# KiCad board xt_pcb.kicad_pcb (continued)
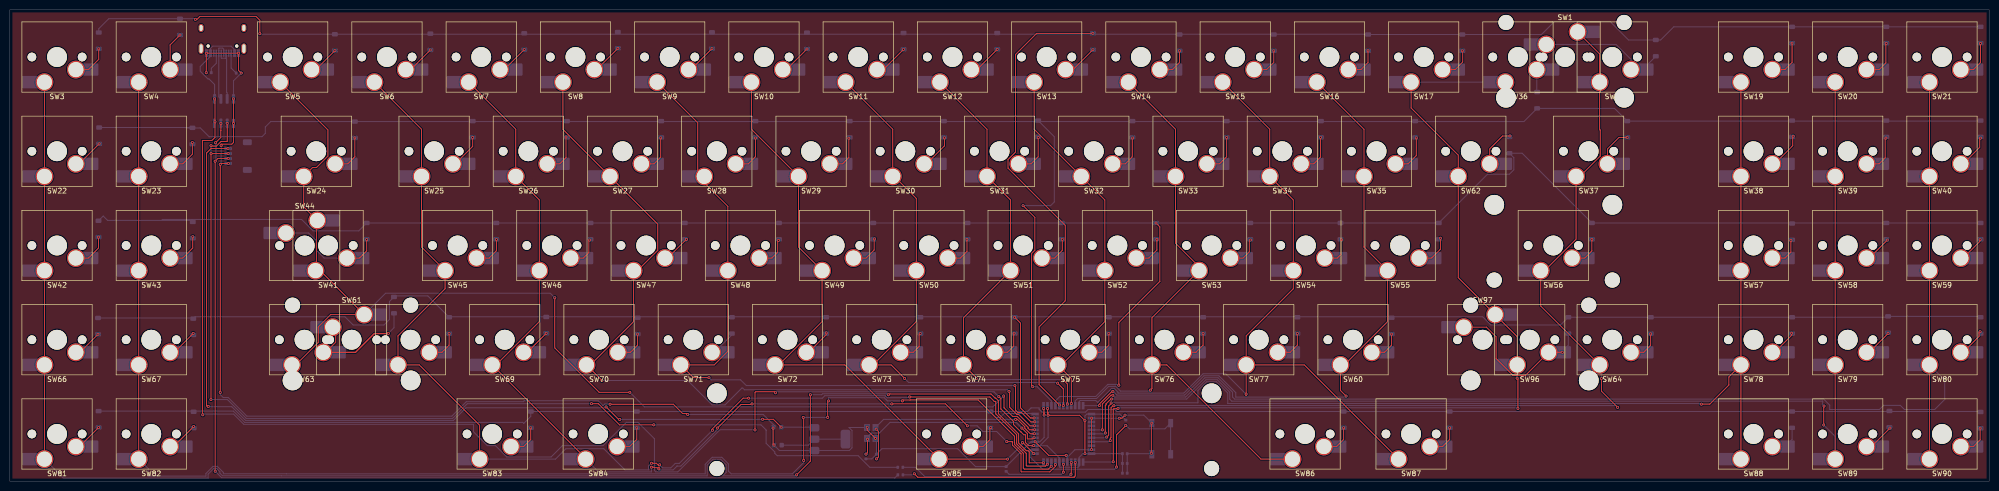
[diagram p0: board, top side]
## Routing (per net, layer and track width the routed paths; a pad name or vN(x,y) marks a point on that pad's centre or on a via; arc(x,y) is an arc through that point)
+3.3V: length 13.4
  Bottom w0.2: C5.1 161.41,7.27 U1.2 U1.2
+5V: length 183.1
  Top w0.2: v1(40.1,15.11) 40.05,15.16 39.85,15.16 39.75,15.25 39.75,66.33 40.65,67.23 v1(44.09,67.23) ; v1(123.25,12.47) 123.23,12.46 123.23,12.27 v1(120.5,15) ; v1(155.9,10.9) 154.3,12.5 v1(152.13,12.5)
  Bottom w0.2: v1(155.9,10.9) 162.5,10.9 U1.3 ; v1(152.13,12.5) 152.11,12.47 v1(123.25,12.47) ; v1(44.09,67.23) 44.11,67.21 J1.1 ; v1(120.5,15) 120.33,14.83 92.2,14.83 89.65,12.28 47.61,12.28 44.83,15.05 44.82,15.05 40.16,15.05 v1(40.1,15.11)
GND: length 334.4
  Top w0.2: v1(46.76,82.48) 46.22,83.02 v1(46.22,86.5) v1(39.72,86.5) 39.69,86.47 v1(39.69,82.56) ; v1(225.39,13.33) 224.79,12.73 224.25,12.73 v1(224.24,12.71) ; v1(137,13.47) 136.83,13.65 136,13.65 134.1,15.54 v1(121.31,15.54) ; 209,13.77 209,13.58 ; 209,13.77 209,14.62 v1(208.95,14.68) ; 209,13.77 209.05,13.73 v1(209.05,13.35) ; v1(230.81,11.72) 230.71,11.62 v1(230.71,5.63) ; v1(154.45,7.27) 154.26,7.46 v1(154.26,10.72) ; v1(213.51,5.21) 209.96,5.21 v1(207.23,7.95) ; v1(44.16,64.22) 42.71,64.22 v1(42.52,64.02) v1(42.52,17.92) ; v1(218.62,6.35) 218.65,6.37 v1(218.65,12.73) ; v1(42.7,67.83) 42.69,67.84 42.69,68.11 44.85,68.11 45.19,68.44 v1(45.19,72.31) v1(45.19,77.26) ; v1(174.95,8.63) 173.29,10.29 v1(173.29,10.88)
  Bottom w0.2: v1(213.51,5.21) 213.73,5 U2.5 213.73,4.8 215.27,6.35 v1(218.62,6.35) ; C6.2 175.16,8.42 v1(174.95,8.63) ; C6.2 176.26,6.55 191.57,6.55 195.19,2.93 C8.2 206.38,7.95 v1(207.23,7.95) 208.18,7.95 209.05,8.82 v1(209.05,13.35) ; C6.2 174.2,4.49 C7.2 ; J1.4 44.15,64.21 v1(44.16,64.22) ; v1(230.71,5.63) 230.81,5.53 BT1.1 230.69,5.54 C3.2 C1.2 ; v1(121.31,15.54) 121.25,15.6 120.26,15.6 119.91,15.25 119.91,15.24 118.89,16.25 103.96,16.25 103.76,16.05 92.25,16.05 89.33,13.12 47.89,13.12 44.13,16.89 43.12,16.89 42.52,17.49 v1(42.52,17.92) ; v1(218.65,12.73) 218.67,12.71 v1(224.24,12.71) ; v1(137,13.47) 152.26,13.47 154.35,11.39 C4.2 154.35,10.81 v1(154.26,10.72) ; R4.2 v1(39.69,82.56) ; v1(230.81,11.72) 229.2,13.33 v1(225.39,13.33) ; v1(154.45,7.27) 155.54,6.18 U1.1 169.65,6.18 170.22,6.74 170.22,10.22 169.6,10.83 Y1.2 173.25,10.84 v1(173.29,10.88) ; v1(42.7,67.83) 42.7,64.2 v1(42.52,64.02) ; U2.23 208.95,15.23 v1(208.95,14.68) ; v1(46.76,82.48) 45.19,80.9 v1(45.19,77.26)
VBUS: length 349.3
  Top w0.2: v1(199.89,17.07) 200.3,16.67 200.3,14.6 202.67,12.23 202.69,12.23 202.87,12.04 202.87,11.42 204.33,9.95 204.34,9.95 204.94,9.36 205.26,9.36 205.26,7.82 205.91,7.17 v1(206.94,7.17) ; v1(217.3,5.55) v1(217.3,12.22) 216.21,13.31 v1(209.84,13.31) 209.84,13.87 209.75,13.96 ; v1(209.75,14.68) 209.75,13.96 ; 209.75,13.96 209.75,13.63 209.75,13.62 ; v1(41.38,77.26) 41.45,77.19 v1(41.45,72.64) 41.45,69.48 40.84,68.87 38.91,68.87 38.91,13.49 v1(38.99,13.41) ; v1(150.6,10.35) 150.6,17.93 150.73,18.06 154.54,18.06 v1(154.75,17.86)
  Bottom w0.2: v1(41.38,77.26) 41.38,80.17 40.25,81.3 40.03,81.3 38.48,82.85 38.48,83.81 40.52,85.85 J2.A4 40.52,87.43 41.02,87.93 44.7,87.93 45.42,87.21 J2.A9 ; U2.14 207.2,7.17 v1(206.94,7.17) ; U2.14 208.18,7.15 209.84,8.82 v1(209.84,13.31) ; U2.14 209.65,7.15 212.12,4.68 U2.7 212.12,2.9 212.23,2.8 215.9,2.8 216.12,3.03 U2.2 216.12,4.8 216.88,5.55 U2.44 ; U3.8 41.38,72.56 v1(41.45,72.64) ; C1.1 C3.1 219.37,5.54 219.36,5.55 U2.44 ; R1.1 224.32,13.55 U2.34 217.68,13.55 217.3,13.17 v1(217.3,12.22) ; v1(38.99,13.41) 39.13,13.55 45.21,13.55 47.28,11.47 93.7,11.47 93.7,9.98 96.51,7.18 98.13,7.18 100.42,4.89 109.39,4.89 111.68,7.18 119.91,7.18 124.61,11.88 126.96,11.88 130.28,8.56 130.28,2.14 130.55,1.87 135,1.87 143.53,10.39 150.56,10.39 v1(150.6,10.35) ; v1(209.75,14.68) 209.75,15.23 U2.24 ; U2.44 v1(217.3,5.55) ; v1(154.75,17.86) 154.94,18.06 198.9,18.06 v1(199.89,17.07)
C1: length 313.2
  Top w0.2: v1(208.89,3.7) 206.06,3.7 206.04,3.73 206.04,5.91 205.8,6.15 205.45,6.15 203.88,7.71 203.88,9.55 199.81,13.63 199.81,16.24 199.27,16.77 199.15,16.77 198.31,17.61 177.85,17.61 177.7,17.46 v1(177.54,17.46) ; v1(159.01,1.27) 161.79,4.05 v1(161.79,17.46) ; SW3.2 SW81.2
  Bottom w0.2: v1(208.89,3.7) 208.93,3.73 U2.11 ; v1(161.79,17.46) 164.07,17.46 164.28,17.66 177.22,17.66 177.41,17.46 v1(177.54,17.46) ; 158.68,1.07 158.81,1.07 v1(159.01,1.27) ; 158.68,1.07 158.97,1.07 159.01,1.11 ; 158.68,1.07 144.09,1.07 144.77,1.74 144.77,3.32 143.67,4.41 142.12,4.41 140.94,3.24 140.94,1.07 54.89,1.07 54.87,1.09 42.97,1.09 42.44,1.62 42.44,1.9 41.75,2.59 41.25,2.59 40.06,1.41 40.06,0.62 10.79,0.62 8.97,2.44 8.97,2.46 SW81.2
C2: length 293.7
  Top w0.2: v1(210.49,3) 209.92,2.43 205.04,2.43 204.84,2.63 204.84,5.62 203.08,7.38 203.08,7.71 203.04,7.76 203.04,9.07 195.69,16.41 181.97,16.41 181.94,16.38 180.56,16.38 v1(180.4,16.22) ; v1(165.29,12.88) 165.29,16.03 v1(165.47,16.21) ; SW82.2 SW4.2 ; v1(160.44,4.17) 160.44,12.79 v1(160.35,12.88)
  Bottom w0.2: v1(165.47,16.21) 165.47,16.86 176.73,16.86 177.37,16.22 v1(180.4,16.22) ; U2.9 210.49,3.81 v1(210.49,3) ; v1(160.35,12.88) v1(165.29,12.88) ; v1(160.44,4.17) 160.44,3.77 158.15,1.47 145.79,1.47 145.22,2.03 145.22,3.49 143.9,4.81 141.95,4.81 140.54,3.4 140.54,1.47 55.93,1.47 55.91,1.49 43.14,1.49 43.14,1.77 41.91,3 41.08,3 39.62,1.54 39.62,1.02 27.96,1.02 27.96,2.52 SW82.2
C3: length 238.2
  Top w0.2: v1(200.87,17.2) 200.94,17.12 200.94,14.82 202.69,13.08 203.61,13.08 205.81,10.88 205.81,10.68 206.11,10.37 v1(207.13,10.37) ; SW63.2 57.79,23.5 62.32,28.03 62.32,31.15 64.83,33.66 SW61.2 61.96,43.31 ; SW41.2 61.96,42.74 61.96,52.51 SW44.2 59.39,55.44 SW24.2 61.18,63.38 61.96,63.38 64.28,65.7 64.28,70.99 SW5.2 ; v1(125.31,17.95) 119.11,17.95 110.13,26.93 v1(110.13,37.06)
  Bottom w0.2: v1(125.31,17.95) 128.25,15.01 198.67,15.01 v1(200.87,17.2) ; U2.18 207.2,10.37 v1(207.13,10.37) ; v1(110.13,37.06) 109.22,37.97 75.93,37.97 SW61.2
C4: length 231.3
  Top w0.2: v1(141.99,10.27) 141.99,10.55 148.2,16.76 v1(149.31,16.76) ; SW83.2 94.94,11.29 82.73,23.5 SW68.2 78.44,29.36 87.96,38.88 SW45.2 83.2,47.31 SW25.2 83.2,71.12 SW6.2 ; v1(131.34,3.3) 131.16,3.13 131.16,3.11 130.66,3.61 v1(129.68,3.61) ; v1(181.87,17.01) 198.06,17.01 198.97,16.1 199.26,16.1 199.26,13.61 203.49,9.39 203.49,7.54 205.44,5.59 205.44,3.17 205.57,3.03 209.31,3.03 v1(209.7,3.42)
  Bottom w0.2: v1(149.31,16.76) 164.22,16.76 164.72,17.26 176.94,17.26 176.94,17.21 177.3,16.86 181.72,16.86 v1(181.87,17.01) ; v1(129.68,3.61) 129.62,3.61 129.07,3.06 129.07,2.34 129.15,2.27 124.31,2.27 120.04,6.55 112.38,6.55 110.28,4.44 SW83.2 ; U2.10 209.7,3.83 v1(209.7,3.42) ; v1(141.99,10.27) 135.3,3.58 134.5,3.58 133.58,2.67 131.97,2.67 v1(131.34,3.3)
C5: length 207.3
  Top w0.2: v1(178.25,15.61) 178.25,15.55 178.31,15.62 189.1,15.62 v1(193.54,11.18) ; v1(131.18,2.47) 131.22,2.51 131.22,2.71 130.26,2.71 130.16,2.81 v1(129.68,2.81) ; v1(150,15.61) 150,15.55 150.07,15.48 147.77,15.48 v1(143,10.71) ; SW84.2 116.37,4.61 SW69.2 98.27,23.5 107.01,32.24 SW46.2 107.01,56.83 SW26.2 102.25,71.12 SW7.2 ; 202.63,7.88 202.63,7.26 204.38,5.52 204.38,1.97 204.48,1.87 210.21,1.87 211.31,2.98 v1(211.31,3.33) ; 202.63,7.88 202.63,8 ; 202.63,7.88 202.54,7.98 v1(201.5,7.98)
  Bottom w0.2: v1(150,15.61) v1(178.25,15.61) ; v1(129.68,2.81) 129.66,2.8 129.66,1.87 118.95,1.87 SW84.2 ; U2.8 211.31,3.84 v1(211.31,3.33) ; v1(143,10.71) 143,10.43 135.6,3.03 134.88,3.03 134.85,3.06 134.06,2.27 131.38,2.27 v1(131.18,2.47) ; v1(193.54,11.18) 195.5,11.18 196.66,10.02 199.45,10.02 v1(201.5,7.98)
C6: length 172.4
  Top w0.2: v1(201.94,18.14) 202.06,18.02 202.06,14.93 203.52,13.47 203.9,13.47 206.2,11.17 v1(207.11,11.17) ; SW8.2 111.78,71.12 SW27.2 130.95,51.94 130.95,46.65 126.85,42.55 SW47.2 126.06,32.24 117.32,23.5 SW70.2 119.66,20.37 v1(119.66,20.34)
  Bottom w0.2: v1(119.66,20.34) 136.99,20.34 141.93,15.41 144.54,15.41 147.94,18.8 148.13,18.8 148.47,18.46 201.62,18.46 v1(201.94,18.14) ; v1(207.11,11.17) 207.13,11.15 U2.19
C7: length 153
  Top w0.2: SW9.2 139.03,72.44 139.03,61.62 145.11,55.54 SW48.2 145.11,26.24 142.37,23.5 SW71.2 138.17,20.91 v1(141.31,20.91) ; v1(207.16,11.97) 206.37,11.97 204.47,13.88 203.73,13.88 203.25,14.35 203.25,19.19 v1(203.13,19.31)
  Bottom w0.2: U2.20 207.18,11.95 v1(207.16,11.97) ; SW9.2 SW9.2 ; v1(141.31,20.91) 141.75,20.47 147.69,20.47 148.84,19.31 v1(203.13,19.31)
C8: length 130.4
  Top w0.2: v1(204.67,7.78) 204.74,7.78 v1(206.96,5.55) ; v1(201.64,4.44) SW85.2 168.76,23.5 SW72.2 155.42,23.5 164.16,32.24 SW49.2 159.4,47.31 SW29.2 149.88,71.12 SW10.2
  Bottom w0.2: v1(201.64,4.44) 204.67,7.47 v1(204.67,7.78) ; v1(206.96,5.55) U2.12
C9: length 112.7
  Top w0.2: v1(211.76,19.8) 212.93,18.64 v1(212.93,15.25) ; v1(180.84,20.76) 178.11,23.5 SW73.2 174.47,23.5 183.21,32.24 SW50.2 183.21,57.13 178.45,61.9 178.45,61.6 178.45,71.12 SW11.2
  Bottom w0.2: v1(180.84,20.76) 181.68,19.93 211.63,19.93 v1(211.76,19.8)
C10: length 94.1
  Top w0.2: v1(213.75,15.57) 213.75,19.63 v1(212.86,20.52) ; v1(195.33,20.71) 195.33,20.9 SW74.2 192.74,33.02 SW51.2 202.26,56.83 SW31.2 197.5,71.12 SW12.2
  Bottom w0.2: U2.29 213.73,15.55 v1(213.75,15.57) ; v1(195.33,20.71) 195.52,20.52 v1(212.86,20.52)
C11: length 76.9
  Top w0.2: SW13.2 207.02,71.12 SW32.2 221.31,56.83 SW52.2 221.31,32.24 212.57,23.5 SW75.2 214.55,20.73 v1(214.55,15.68)
  Bottom w0.2: U2.30 214.52,15.66 v1(214.55,15.68)
C12: length 126.8
  Top w0.2: v1(230.52,18.39) 230.84,18.7 SW76.2 ; SW76.2 233.84,23.5 252.89,4.44 SW86.2 ; SW76.2 230.84,33.02 SW53.2 240.44,42.55 240.8,42.9 235.6,48.09 235.6,71.12 SW14.2
  Bottom w0.2: v1(230.52,18.39) 230.32,18.19 224.49,18.19 223.52,19.15 222.09,19.15 219.64,16.7 215.82,16.7 215.32,16.2 U2.31
C13: length 152
  Top w0.2: v1(249.87,17.58) 249.88,17.56 249.88,17.32 249.89,17.32 SW77.2 ; SW15.2 254.65,71.12 SW34.2 259.41,56.83 SW54.2 259.41,38.88 249.89,29.36 SW77.2 ; SW87.2 261.63,23.5 SW77.2
  Bottom w0.2: U2.32 216.12,16.09 216.33,16.3 219.48,16.3 219.87,15.91 219.87,15.92 222.7,18.75 223.19,18.75 223.99,17.96 223.99,17.79 237.27,17.79 241.17,21.69 245.75,21.69 v1(249.87,17.58)
C14: length 133.4
  Top w0.2: v1(270.08,17.18) 268.94,18.33 SW60.2 269.72,23.5 278.46,32.24 SW55.2 273.7,47.31 SW35.2 273.7,71.12 SW16.2 ; v1(220.21,15.27) 220.21,15.58 222.71,18.07 222.94,18.07 222.95,18.08 v1(222.95,18.15)
  Bottom w0.2: v1(222.95,18.15) 222.99,18.15 223.75,17.39 237.44,17.39 241.34,21.29 244.37,21.29 247.77,17.89 247.77,16.98 270.08,16.98 v1(270.08,17.18) ; v1(220.21,15.27) 220.25,15.27 220.24,15.25 U2.33
C15: length 192.7
  Top w0.2: v1(223.01,3.9) 223.01,14.54 223.11,14.63 223.62,14.63 223.62,14.64 223.95,14.64 v1(223.99,14.68) ; SW96.2 304.66,29.21 SW97.2 292.75,41.12 SW62.2 292.75,65.89 283.23,75.42 SW17.2 ; v1(304.81,14.68) 304.81,20.62 v1(304.64,20.8)
  Bottom w0.2: v1(304.81,14.68) 304.67,14.83 224.13,14.83 v1(223.99,14.68) ; SW36.2 SW17.2 ; v1(223.01,3.9) 222.96,3.85 U2.1 ; v1(304.64,20.8) 304.66,20.81 SW96.2
C16: length 203.5
  Top w0.2: v1(321.69,20.73) 321.69,18.18 v1(324.96,14.91) ; 321.45,70.92 321.32,71.04 SW2.2 321.32,86.36 SW1.2 ; 321.45,70.92 321.45,65.7 317.35,61.6 SW37.2 316.56,48.91 310.2,42.55 SW56.2 309.42,35.4 SW64.2 ; 321.45,70.92 321.45,70.99 ; v1(222.42,8.19) 222.42,8.66 222.56,8.81 222.56,14.82 222.98,15.23 v1(223.15,15.23)
  Bottom w0.2: v1(321.69,20.73) 321.69,23.12 SW64.2 ; v1(324.96,14.91) 324.6,15.28 223.2,15.28 v1(223.15,15.23) ; U2.41 222.18,7.95 v1(222.42,8.19)
C17: length 224.5
  Top w0.2: SW78.2 SW19.2 ; SW78.2 347.45,21.06 347.45,19.42 343.59,15.56 v1(341.9,15.56) ; SW78.2 SW88.2 ; v1(221.69,8.9) 222.08,9.29 222.08,15.18 222.59,15.68 v1(222.59,15.8)
  Bottom w0.2: v1(221.69,8.9) 221.55,8.75 U2.40 ; v1(222.59,15.8) 222.62,15.83 240.12,15.83 240.13,15.85 240.13,18.3 241.93,20.09 243.87,20.09 246.17,17.8 246.17,15.68 246.17,15.68 341.52,15.68 341.64,15.56 v1(341.9,15.56)
C18: length 247.3
  Top w0.2: v1(366.69,15.17) 366.62,15.11 v1(366.62,11.34) ; v1(221.42,9.72) 221.42,15.28 221.56,15.43 221.56,15.62 222.53,16.59 v1(222.7,16.59) ; SW89.2 SW20.2
  Bottom w0.2: U2.39 221.25,9.55 v1(221.42,9.72) ; SW89.2 368.94,9.03 v1(366.62,11.34) ; v1(366.69,15.17) 366.42,15.44 366.42,16.18 366.39,16.16 246.97,16.16 246.56,16.56 246.56,17.97 244.04,20.49 241.76,20.49 237.85,16.59 v1(222.7,16.59)
C19: length 270
  Top w0.2: SW21.2 SW90.2 ; v1(222.94,17.35) 222.56,17.35 220.81,15.61 v1(220.81,10.35)
  Bottom w0.2: v1(222.94,17.35) 223.3,16.99 237.64,16.99 241.54,20.89 244.2,20.89 247.13,17.96 247.13,16.99 247.54,16.58 366.61,16.58 367.84,15.36 367.84,14.47 377.89,14.47 378.73,15.31 382.1,15.31 382.94,14.47 389.06,14.47 391.08,16.5 391.08,20.4 SW80.2 ; U2.38 v1(220.81,10.35)
D+: length 210.9
  Top w0.2: v1(130.15,11.38) 123.22,11.38 118.94,15.65 v1(117.54,15.65) ; v1(40.64,16.49) 40.64,66.19 v1(40.66,66.21) v1(44.12,66.21) ; v1(40.64,67.82) 40.75,67.72 41.73,67.72 42.68,68.66 43.93,68.66 v1(43.93,72.32)
  Bottom w0.2: v1(40.64,67.82) 40.64,66.22 v1(40.66,66.21) ; v1(130.15,11.38) 151.81,11.38 152.88,10.3 152.85,10.27 152.85,7.64 154.6,5.89 154.6,5.62 155.09,5.13 171.46,5.13 173.8,2.79 R2.1 ; U3.6 43.92,72.31 v1(43.93,72.32) ; v1(40.64,16.49) 43.96,16.49 47.77,12.68 89.48,12.68 92.46,15.65 v1(117.54,15.65)
D-: length 212.6
  Top w0.2: v1(42.64,72.31) 42.64,70.86 42.63,70.85 42.63,69.46 v1(41.57,68.4) ; v1(44.14,65.23) 42.05,65.23 v1(41.49,64.67) 41.49,2 v1(41.5,2)
  Bottom w0.2: v1(41.5,2) 42.83,0.67 178.88,0.67 R3.1 ; v1(41.49,64.67) 41.65,64.82 41.65,68.33 v1(41.57,68.4) ; J1.3 44.12,65.21 v1(44.14,65.23)
R1: length 486.8
  Top w0.2: v1(50.52,90.45) 50.52,93.17 49.75,93.94 38.42,93.94 37.83,93.35 v1(37.49,93.35) ; v1(218.91,90.5) 207.52,90.5 203.26,86.24 203.26,66.51 201.75,65 201.75,63.27 213.31,51.7 213.31,36.45 208.02,31.16 208.02,19.49 v1(212.14,15.38)
  Bottom w0.2: 398.32,91.83 336.31,91.83 333.66,89.17 D16.1 327.17,89.17 323.43,92.91 312.2,92.91 309.57,90.28 D15.1 D14.1 274.46,90.33 50.64,90.33 v1(50.52,90.45) ; v1(37.49,93.35) 37.37,93.47 19.98,93.47 17.96,91.45 D1.1 ; v1(212.14,15.38) 212.12,15.37 U2.27
R2: length 454.6
  Top w0.2: v1(206.75,19.08) 206.51,19.31 206.51,46.01 207.17,46.67 207.17,53.3 v1(204.8,55.68)
  Bottom w0.2: v1(204.8,55.68) 210.36,55.68 211.11,56.43 211.11,69.61 D30.1 ; D39.1 398.23,72.78 D36.1 324.33,75.35 D35.1 306.02,72.68 D23.1 52.72,72.68 51.66,71.62 51.63,71.62 51.63,70.3 50.96,69.62 40.3,69.62 40.27,69.6 38.48,71.39 35.63,71.39 ; U2.25 210.52,16.2 207.64,19.08 v1(206.75,19.08) ; D21.1 36.63,71.48
R3: length 456.1
  Top w0.2: v1(224.14,19.38) 224.14,32.08 232.44,40.37 232.44,51.39 v1(231.65,52.18)
  Bottom w0.2: D57.1 360.32,52.18 D55.1 360.12,52.18 D54.1 305.66,66.28 D87.1 303.99,65.38 303.99,62.94 303.08,62.04 298.66,62.04 D53.1 D42.1 70.52,50.59 61.27,50.59 58.97,52.89 30.75,52.89 ; U2.26 211.32,16.2 212.23,17.1 219.48,17.1 221.93,19.55 223.69,19.55 224,19.24 v1(224.14,19.38) ; 36.77,52.89 36.96,52.71 36.96,52.7 19.74,52.7 18.86,53.58 17.91,52.62
R4: length 411.9
  Top w0.2: v1(203.08,33.12) 204.26,31.94 204.26,14.8 206.3,12.76 v1(207.03,12.76)
  Bottom w0.2: v1(207.03,12.76) 207.21,12.76 U2.21 ; D75.1 398.15,33.3 D74.1 379.45,33.12 D73.1 D86.1 D72.1 313.43,31.56 299.34,31.56 297.68,33.22 88.87,33.22 D62.1 84.47,37.43 77.84,37.43 D60.1 76.72,36.31 76.72,32.67 75.6,31.56 69.39,31.56 67.73,33.22 37.44,33.22 D59.1 36.93,32.97 D58.1
R5: length 398.5
  Bottom w0.2: 286.86,14.08 398.23,14.08 D85.1 ; D80.1 198.15,13.92 199.19,12.88 200.17,12.88 200.96,13.68 207.1,13.68 U2.22 207.24,13.56 207.24,13.57 ; D80.1 205.69,14.08 206.42,14.8 208.04,14.8 208.04,14.52 208.6,13.95 217.4,13.95 217.92,14.47 223.34,14.47 223.74,14.08 D82.1 ; D80.1 D79.1 D78.1 105.28,13.07 103.87,11.67 103.66,11.88 47.44,11.88 45.17,14.15 D76.1
Net-(D1-A): length 7.6
  Top w0.2: v1(17.96,87.38) 17.96,85.26 15.88,83.19 SW3.1
Net-(D2-A): length 7.8
  Top w0.2: SW4.1 32.38,88.17 v1(34.38,90.17)
Net-(D3-A): length 6.3
  Top w0.2: v1(65.69,87.03) 61.84,83.19 SW5.1
Net-(D4-A): length 6.6
  Top w0.2: v1(84.98,87.15) 81.02,83.19 SW6.1
Net-(D5-A): length 6.6
  Top w0.2: SW7.1 99.92,83.19 v1(103.96,87.23)
Net-(D6-A): length 6.5
  Top w0.2: v1(122.88,87.48) 118.59,83.19 SW8.1
Net-(D7-A): length 6.5
  Top w0.2: SW9.1 137.67,83.19 v1(141.91,87.43)
Net-(D8-A): length 6.6
  Top w0.2: SW10.1 156.94,83.19 v1(161.11,87.35)
Net-(D9-A): length 7.1
  Top w0.2: v1(180.63,87.28) 176.54,83.19 SW11.1
Net-(D10-A): length 6.9
  Top w0.2: SW12.1 195.47,83.19 v1(199.56,87.28)
Net-(D11-A): length 7.2
  Top w0.2: v1(218.91,87.2) 214.89,83.19 SW13.1
Net-(D12-A): length 6.9
  Top w0.2: SW14.1 234.97,83.19 236.42,84.63 v1(236.42,86.98)
Net-(D13-A): length 6.9
  Top w0.2: SW15.1 254.02,83.19 255.46,84.63 v1(255.46,86.98)
Net-(D14-A): length 6.9
  Top w0.2: v1(274.51,86.98) 274.51,84.63 273.07,83.19 SW16.1
Net-(D15-A): length 7
  Top w0.2: v1(293.56,86.98) 293.58,86.96 293.64,86.96 293.64,84.71 292.12,83.19 SW17.1
Net-(D16-A): length 30.8
  Bottom w0.2: 331.88,84.1 328.99,84.1 328.07,83.19 ; 310.53,88.27 324.65,88.27 327.68,85.24 SW2.1 329.99,83.19 D16.2
Net-(D18-A): length 8.5
  Top w0.2: SW19.1 358.78,83.19 360.23,84.63 v1(360.23,88.53)
Net-(D19-A): length 8.5
  Top w0.2: SW20.1 377.83,83.19 379.19,84.54 379.19,88.39 v1(379.25,88.46)
  Bottom w0.2: v1(379.25,88.46) 379.27,88.48 D19.2
Net-(D20-A): length 8.5
  Top w0.2: SW21.1 396.88,83.19 398.31,84.61 v1(398.31,88.46)
  Bottom w0.2: D20.2 398.32,88.48 v1(398.31,88.46)
Net-(D21-A): length 6.4
  Top w0.2: v1(18.03,68.18) 13.99,64.14 SW22.1
Net-(D22-A): length 7.6
  Top w0.2: SW23.1 34.93,64.14 36.88,66.09 v1(36.88,68.43)
Net-(D23-A): length 8.4
  Top w0.2: v1(69.73,69.38) 69.73,65.58 68.28,64.14 SW24.1
Net-(D24-A): length 7.3
  Top w0.2: SW25.1 90.01,64.14 93.54,67.66 v1(93.54,69.48)
Net-(D25-A): length 8.7
  Top w0.2: v1(112.41,69.56) 112.41,65.39 111.15,64.14 SW26.1
  Bottom w0.2: 112.59,69.48 112.49,69.48 v1(112.41,69.56)
Net-(D26-A): length 8.5
  Top w0.2: v1(131.54,69.39) 131.54,65.48 130.2,64.14 SW27.1
  Bottom w0.2: v1(131.54,69.39) 131.63,69.48 131.64,69.48
Net-(D27-A): length 8.5
  Top w0.2: SW28.1 149.25,64.14 150.69,65.58 v1(150.69,69.36)
  Bottom w0.2: 150.69,69.48 150.69,69.37 v1(150.69,69.36)
Net-(D28-A): length 8.5
  Top w0.2: SW29.1 168.3,64.14 169.57,65.41 v1(169.57,69.33)
  Bottom w0.2: v1(169.57,69.33) 169.72,69.48 169.74,69.48
Net-(D29-A): length 7.4
  Top w0.2: v1(188.9,69.39) 188.9,67.77 185.26,64.14 SW30.1
  Bottom w0.2: v1(188.9,69.39) 188.81,69.48 188.79,69.48
Net-(D30-A): length 8.6
  Top w0.2: v1(207.87,69.43) 207.84,69.4 207.84,65.58 206.4,64.14 SW31.1
  Bottom w0.2: v1(207.87,69.43) 207.84,69.46 D30.2
Net-(D31-A): length 8.5
  Top w0.2: v1(226.95,69.36) 226.86,69.26 226.86,65.54 225.45,64.14 SW32.1
  Bottom w0.2: 226.89,69.48 226.89,69.43 v1(226.95,69.36)
Net-(D32-A): length 8.5
  Top w0.2: SW33.1 244.5,64.14 245.94,65.57 v1(245.94,69.46)
  Bottom w0.2: 245.94,69.48 245.94,69.47 v1(245.94,69.46)
Net-(D33-A): length 8.5
  Top w0.2: v1(264.93,69.49) 264.93,65.51 263.55,64.14 SW34.1
  Bottom w0.2: 264.99,69.48 264.94,69.48 v1(264.93,69.49)
Net-(D34-A): length 8.8
  Top w0.2: SW35.1 282.6,64.14 284.26,65.8 v1(284.26,69.39)
  Bottom w0.2: 284.04,69.48 284.18,69.48 v1(284.26,69.39)
Net-(D35-A): length 4.6
  Bottom w0.2: D35.2 308.62,78.71 SW36.1
Net-(D36-A): length 8
  Top w0.2: v1(326.9,69.48) 325.25,69.48 322.91,67.14 SW37.1
Net-(D37-A): length 7.9
  Top w0.2: v1(360.44,69.71) 360.36,69.63 360.36,67.79 356.7,64.14 SW38.1
  Bottom w0.2: D37.2 360.3,69.58 v1(360.44,69.71)
Net-(D38-A): length 8.6
  Top w0.2: SW39.1 377.83,64.14 379.04,65.34 379.04,69.19 v1(379.19,69.34)
  Bottom w0.2: v1(379.19,69.34) 379.27,69.43 D38.2
Net-(D39-A): length 7.4
  Top w0.2: v1(398.31,69.34) 398.15,69.19 398.15,67.49 394.8,64.14 SW40.1
  Bottom w0.2: D39.2 398.32,69.36 v1(398.31,69.34)
Net-(D40-A): length 7.6
  Top w0.2: SW42.1 15.88,45.09 17.91,47.11 v1(17.91,49.33)
Net-(D41-A): length 7.7
  Top w0.2: SW43.1 34.93,45.09 36.96,47.11 v1(36.96,49.4)
Net-(D42-A): length 22.5
  Top w0.2: v1(72.12,48.83) 72.12,46.54 70.66,45.09 SW41.1
  Bottom w0.2: D42.2 72.11,48.84 v1(72.12,48.83) ; SW44.1 60.38,50.15 61.94,48.58 61.94,46.67 63.53,45.09 SW41.1
Net-(D43-A): length 7
  Top w0.2: v1(98.34,48.84) 98.34,46.56 96.86,45.09 SW45.1
  Bottom w0.2: D43.2 98.3,48.87 v1(98.34,48.84)
Net-(D44-A): length 7
  Top w0.2: SW46.1 115.91,45.09 117.03,46.2 117.03,48.58 v1(117.18,48.73)
  Bottom w0.2: D44.2 117.32,48.88 v1(117.18,48.73)
Net-(D45-A): length 6.2
  Top w0.2: v1(136.75,48.88) 132.95,45.09 SW47.1
  Bottom w0.2: v1(136.75,48.88) 136.74,48.88 D45.2
Net-(D46-A): length 6.9
  Top w0.2: SW48.1 154.01,45.09 155.19,46.27 155.19,48.51 v1(155.34,48.66)
  Bottom w0.2: v1(155.34,48.66) 155.45,48.77 D46.2
Net-(D47-A): length 7.4
  Top w0.2: SW49.1 173.06,45.09 174.69,46.71 174.69,48.87 v1(174.76,48.95)
  Bottom w0.2: D47.2 174.69,48.88 v1(174.76,48.95)
Net-(D48-A): length 7
  Top w0.2: SW50.1 192.11,45.09 193.44,46.42 v1(193.44,48.88)
  Bottom w0.2: D48.2 193.45,48.88 v1(193.44,48.88)
Net-(D49-A): length 7.1
  Top w0.2: SW51.1 211.16,45.09 212.71,46.64 v1(212.71,48.88)
  Bottom w0.2: v1(212.71,48.88) 212.71,48.88 D49.2
Net-(D50-A): length 9.4
  Top w0.2: v1(231.83,48.88) 231.83,46.71 230.21,45.09 SW52.1
  Bottom w0.2: 229.71,45.45 229.35,45.09 SW52.1 ; v1(231.83,48.88) 231.83,48.88 D50.2
Net-(D51-A): length 7
  Top w0.2: SW53.1 249.26,45.09 250.52,46.35 250.52,48.51 v1(250.75,48.73)
  Bottom w0.2: v1(250.75,48.73) 250.7,48.77 D51.2
Net-(D52-A): length 6.8
  Top w0.2: SW54.1 268.31,45.09 269.06,45.83 269.06,48.73 v1(269.12,48.8)
  Bottom w0.2: D52.2 269.05,48.88 v1(269.12,48.8)
Net-(D53-A): length 7.7
  Top w0.2: SW55.1 287.36,45.09 289.14,46.87 v1(289.14,49.1)
  Bottom w0.2: D53.2 288.92,48.88 v1(289.14,49.1)
Net-(D54-A): length 6.9
  Top w0.2: v1(319.76,48.88) 319.76,46.53 318.31,45.09 SW56.1
Net-(D55-A): length 6.9
  Top w0.2: SW57.1 358.78,45.09 359.99,46.29 v1(359.99,48.66)
  Bottom w0.2: D55.2 360.1,48.78 v1(359.99,48.66)
Net-(D56-A): length 6
  Top w0.2: SW58.1 375.84,45.09 v1(379.49,48.73)
  Bottom w0.2: v1(379.49,48.73) 379.34,48.88 D56.2
Net-(D57-A): length 5.7
  Top w0.2: SW59.1 394.8,45.09 398.15,48.44 398.15,48.72 v1(398.24,48.8)
  Bottom w0.2: D57.2 398.31,48.88 v1(398.24,48.8)
Net-(D58-A): length 6
  Top w0.2: v1(17.81,29.68) 14.17,26.03 SW66.1
Net-(D59-A): length 6.3
  Top w0.2: v1(37.06,29.85) 33.24,26.03 SW67.1
Net-(D60-A): length 40.5
  Top w0.2: SW63.1 69.85,26.03 73.69,29.87 v1(76.49,29.87) ; SW63.1 69.88,26.03 73.64,29.8 76.4,29.8 ; SW63.1 63.82,26.03 65.85,28.07 65.85,30.53 SW61.1
  Bottom w0.2: D60.2 77.63,31.01 v1(76.49,29.87)
Net-(D61-A): length 6.8
  Top w0.2: v1(279.28,29.72) 279.28,27.48 277.83,26.03 SW60.1
Net-(D62-A): length 6.9
  Top w0.2: v1(88.78,29.83) 88.78,27.48 87.33,26.03 SW68.1
Net-(D63-A): length 6.2
  Top w0.2: SW69.1 104.57,26.03 v1(108.41,29.88)
Net-(D64-A): length 6.8
  Top w0.2: v1(126.88,29.72) 126.88,27.48 125.43,26.03 SW70.1
Net-(D65-A): length 5.7
  Bottom w0.2: D65.2 145.93,29.56 142.4,26.03 SW71.1
Net-(D66-A): length 6
  Top w0.2: v1(165.01,29.96) 165.01,29.6 161.45,26.03 SW72.1
  Bottom w0.2: D66.2 164.98,29.92 v1(165.01,29.96)
Net-(D67-A): length 7
  Top w0.2: SW73.1 182.58,26.03 183.78,27.23 183.78,29.6 v1(184,29.83)
  Bottom w0.2: D67.2 184.01,29.83 v1(184,29.83)
Net-(D68-A): length 7.1
  Top w0.2: SW74.1 201.63,26.03 202.9,27.31 202.9,29.83 v1(202.98,29.9)
  Bottom w0.2: v1(202.98,29.9) 203.05,29.83 D68.2
Net-(D69-A): length 6.9
  Top w0.2: SW75.1 220.68,26.03 222.13,27.48 v1(222.13,29.83)
Net-(D70-A): length 6.9
  Top w0.2: SW76.1 239.73,26.03 241.18,27.48 v1(241.18,29.83)
Net-(D71-A): length 6.9
  Top w0.2: v1(260.23,29.83) 260.23,27.48 258.78,26.03 SW77.1
Net-(D72-A): length 32.7
  Top w0.2: v1(313.78,26.03) SW96.1 306.37,21.4 303.79,21.4 300.39,24.79 300.39,29.17 298.45,31.12 SW97.1
  Bottom w0.2: D72.2 315,27.48 313.78,26.27 v1(313.78,26.03)
Net-(D73-A): length 5.9
  Top w0.2: v1(360.13,29.9) 360.13,29.47 356.7,26.03 SW78.1
  Bottom w0.2: v1(360.13,29.9) 360.21,29.83 D73.2
Net-(D74-A): length 6.1
  Top w0.2: SW79.1 375.83,26.03 v1(379.62,29.83)
  Bottom w0.2: D74.2 v1(379.62,29.83)
Net-(D75-A): length 6.5
  Top w0.2: SW80.1 394.8,26.03 398.01,29.25 398.01,29.98 v1(398.24,30.2)
  Bottom w0.2: v1(398.24,30.2) 398.32,30.11 D75.2
Net-(D76-A): length 6.2
  Top w0.2: v1(17.93,10.85) 14.07,6.99 SW81.1
Net-(D77-A): length 6.4
  Top w0.2: SW82.1 33.09,6.99 v1(37.13,11.03)
Net-(D78-A): length 6.9
  Top w0.2: SW83.1 103.83,6.99 105.28,8.43 v1(105.28,10.78)
Net-(D79-A): length 6.9
  Top w0.2: SW84.1 125.27,6.99 126.71,8.43 v1(126.71,10.78)
Net-(D80-A): length 7.1
  Top w0.2: SW85.1 196.7,6.99 198.08,8.37 198.08,10.65 v1(198.25,10.82)
  Bottom w0.2: v1(198.25,10.82) 198.21,10.78 D80.2
Net-(D81-A): length 6.9
  Top w0.2: SW86.1 268.14,6.99 269.58,8.43 v1(269.58,10.78)
Net-(D82-A): length 6.9
  Top w0.2: SW87.1 289.57,6.99 291.02,8.43 v1(291.02,10.78)
Net-(D83-A): length 6.9
  Bottom w0.2: D83.2 360.23,8.43 358.78,6.99 SW88.1
Net-(D84-A): length 6.5
  Top w0.2: v1(380,10.71) 376.28,6.99 SW89.1
  Bottom w0.2: v1(380,10.71) 379.9,10.81 D84.2
Net-(D85-A): length 6.9
  Top w0.2: v1(398.24,10.71) 398.24,8.34 396.88,6.99 SW90.1
  Bottom w0.2: v1(398.24,10.71) 398.27,10.68 D85.2
Net-(D86-A): length 6.9
  Top w0.2: v1(331.63,29.76) 331.63,27.45 330.22,26.03 SW64.1
  Bottom w0.2: v1(331.63,29.76) 331.67,29.79 D86.2
Net-(D87-A): length 8.4
  Top w0.2: SW62.1 299.1,67.14 301.72,69.76 v1(303.21,69.76)
  Bottom w0.2: D87.2 303.09,69.64 v1(303.21,69.76)
Net-(J2-CC1): length 4.3
  Bottom w0.2: J2.A5 41.72,84.46 40.72,83.46 R4.1
Net-(J2-CC2): length 4.4
  Bottom w0.2: R5.1 44.72,83.5 J2.B5
Net-(J2-D+-PadA6): length 12.1
  Bottom w0.2: 43.72,85.68 J2.B6 43.72,85.53 43.67,85.48 ; J2.A6 42.72,85.53 42.77,85.48 43.67,85.48 ; 43.67,85.48 43.8,85.34 43.8,78.57 43.91,78.46 U3.3
Net-(J2-D--PadA7): length 12.3
  Bottom w0.2: J2.A7 43.22,87.33 43.02,87.53 42.27,87.53 42.22,87.48 J2.B7 42.22,77.69 U3.2
Net-(U2-D+): length 37.4
  Top w0.2: v1(214.46,1.38) 214.44,1.38 214.54,1.48 v1(214.54,3.76)
  Bottom w0.2: U2.4 214.52,3.77 v1(214.54,3.76) ; R2.2 183.04,2.79 184.86,0.97 214.06,0.97 v1(214.46,1.38)
Net-(U2-D-): length 38.2
  Top w0.2: v1(182.81,1.49) 183.51,0.78 215.13,0.78 215.13,0.86 215.34,1.06 v1(215.34,3.76)
  Bottom w0.2: v1(215.34,3.76) 215.34,3.84 U2.3 ; R3.2 182.59,1.27 v1(182.81,1.49)
Net-(U2-UCAP): length 14.1
  Top w0.2: v1(212.94,1.8) 212.94,1.85 213,1.92 212.94,1.99 v1(212.94,3.4)
  Bottom w0.2: v1(212.94,3.4) 212.94,3.84 U2.6 ; v1(212.94,1.8) 212.51,1.37 201.96,1.37 C8.1
Net-(U2-XTAL1): length 41.6
  Top w0.2: v1(175.09,10.49) 175.56,10.03 175.56,4.88 v1(175.16,4.49) ; v1(207.06,9.57) 206.26,9.57 205.14,10.7 205.14,10.98 203.64,12.47 v1(203.29,12.47)
  Bottom w0.2: Y1.3 176.6,12.47 v1(203.29,12.47) ; Y1.3 175.31,10.47 ; Y1.3 174.95,10.63 v1(175.09,10.49) ; v1(207.06,9.57) 207.2,9.57 U2.17
Net-(U2-XTAL2): length 42.2
  Top w0.2: v1(173.34,8.47) 173.34,5.76 v1(173.03,5.45) ; v1(207.01,8.77) 206.77,8.53 205.67,8.53 205.67,9.6 v1(204.54,10.72)
  Bottom w0.2: v1(207.01,8.77) 207.2,8.77 U2.16 ; Y1.1 173.25,8.73 174.23,9.71 175.73,9.71 177.9,11.88 203.39,11.88 v1(204.54,10.72) ; Y1.1 173.25,8.83 174.09,9.67 ; Y1.1 173.25,8.56 v1(173.34,8.47)
Net-(U2-~{RESET}): length 46.5
  Top w0.2: v1(225.55,11.22) 223.69,9.36 v1(223.69,2.84)
  Bottom w0.2: v1(225.55,11.22) R1.2 226.29,10.57 233.46,10.57 BT1.2 BT1.2 ; v1(223.69,2.84) 223.25,2.4 208.7,2.4 206.18,4.93 206.18,6.25 206.27,6.35 U2.13

## Copper pours and planes (outline as drawn; the poured copper is in the pictures)
(no net) on Top, Bottom: 0,95.25 0,0 400.05,0 400.05,95.25
